# EAGLE board working (EAGLE 7.5.0), part 4 of 8 (continued)
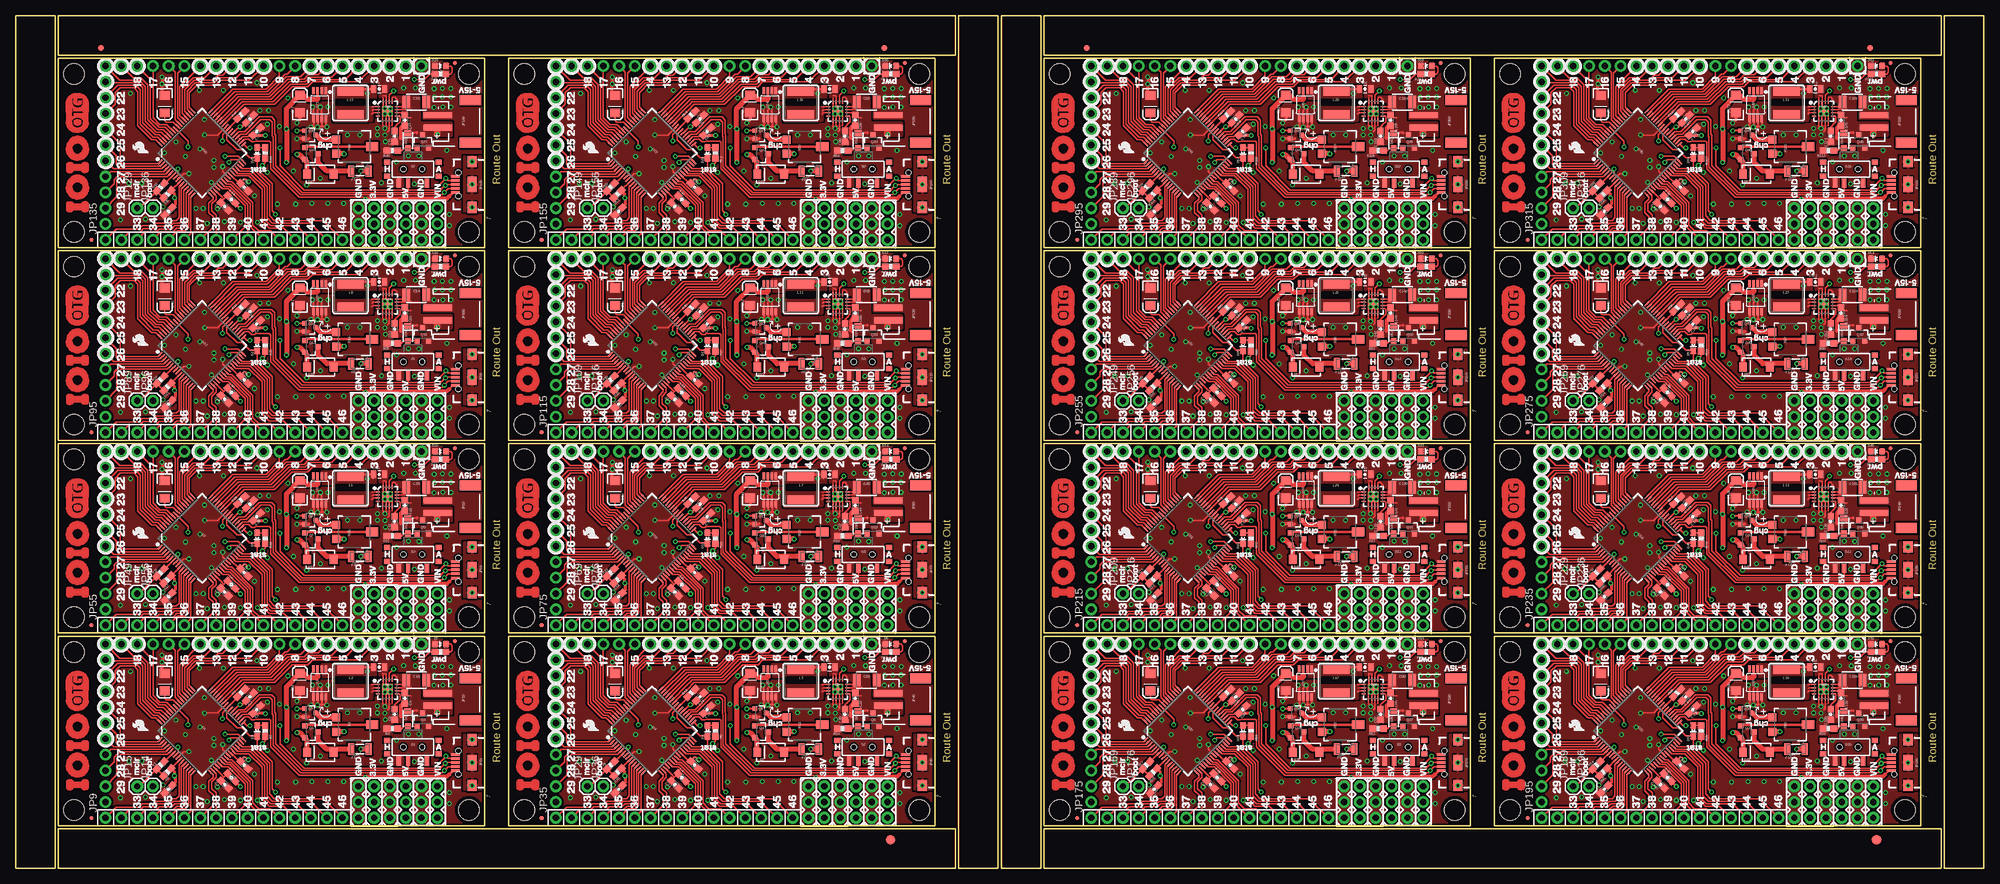
[diagram p0: board, top side]
## Tracks (layer width: path | path; a pad name or v marks a point on that pad's centre or on a via) (continued)
  other vias: 304.29,109.98 304.29,113.67 304.29,106.3
  pour Top: 303.02,114.43 305.69,114.43 305.69,105.66 303.02,105.66
BOOT  (via drill 0.38 pad 0.64)
  Top 0.203: U1.39 33.98,25.05 33.98,24.23 35.61,22.61 36.42,22.61 37.68,21.35 38.73,21.35 D3.C 38.86,19.51 41.25,17.12 41.25,12.8 v41.81,12.24
  Bottom 0.203: v41.81,12.24 23.06,12.24 JP14.1
BOOT1  (via drill 0.38 pad 0.64)
  Top 0.203: U4.39 106.38,25.05 106.38,24.23 108,22.61 108.81,22.61 110.07,21.35 111.12,21.35 D4.C 111.25,19.51 113.64,17.12 113.64,12.8 v114.2,12.24
  Bottom 0.203: v114.2,12.24 95.45,12.24 JP36.1
BOOT2  (via drill 0.38 pad 0.64)
  Top 0.203: U7.39 33.98,56.04 33.98,55.22 35.61,53.59 36.42,53.59 37.68,52.34 38.73,52.34 D9.C 38.86,50.49 41.25,48.11 41.25,43.79 v41.81,43.23
  Bottom 0.203: v41.81,43.23 23.06,43.23 JP56.1
BOOT3  (via drill 0.38 pad 0.64)
  Top 0.203: U10.39 106.38,56.04 106.38,55.22 108,53.59 108.81,53.59 110.07,52.34 111.12,52.34 D13.C 111.25,50.49 113.64,48.11 113.64,43.79 v114.2,43.23
  Bottom 0.203: v114.2,43.23 95.45,43.23 JP76.1
BOOT4  (via drill 0.38 pad 0.64)
  Top 0.203: U13.39 33.98,87.03 33.98,86.21 35.61,84.58 36.42,84.58 37.68,83.32 38.73,83.32 D17.C 38.86,81.48 41.25,79.1 41.25,74.78 v41.81,74.22
  Bottom 0.203: v41.81,74.22 23.06,74.22 JP96.1
BOOT5  (via drill 0.38 pad 0.64)
  Top 0.203: U16.39 106.38,87.03 106.38,86.21 108,84.58 108.81,84.58 110.07,83.32 111.12,83.32 D21.C 111.25,81.48 113.64,79.1 113.64,74.78 v114.2,74.22
  Bottom 0.203: v114.2,74.22 95.45,74.22 JP116.1
BOOT6  (via drill 0.38 pad 0.64)
  Top 0.203: U19.39 33.98,118.02 33.98,117.2 35.61,115.57 36.42,115.57 37.68,114.31 38.73,114.31 D25.C 38.86,112.47 41.25,110.08 41.25,105.77 v41.81,105.21
  Bottom 0.203: v41.81,105.21 23.06,105.21 JP136.1
BOOT7  (via drill 0.38 pad 0.64)
  Top 0.203: U22.39 106.38,118.02 106.38,117.2 108,115.57 108.81,115.57 110.07,114.31 111.12,114.31 D29.C 111.25,112.47 113.64,110.08 113.64,105.77 v114.2,105.21
  Bottom 0.203: v114.2,105.21 95.45,105.21 JP156.1
BOOT8  (via drill 0.38 pad 0.64)
  Top 0.203: U25.39 192.48,25.05 192.48,24.23 194.11,22.61 194.92,22.61 196.18,21.35 197.23,21.35 D33.C 197.36,19.51 199.75,17.12 199.75,12.8 v200.3,12.24
  Bottom 0.203: v200.3,12.24 181.56,12.24 JP176.1
BOOT9  (via drill 0.38 pad 0.64)
  Top 0.203: U28.39 264.87,25.05 264.87,24.23 266.5,22.61 267.31,22.61 268.57,21.35 269.62,21.35 D37.C 269.75,19.51 272.14,17.12 272.14,12.8 v272.69,12.24
  Bottom 0.203: v272.69,12.24 253.95,12.24 JP196.1
BOOT10  (via drill 0.38 pad 0.64)
  Top 0.203: U31.39 192.48,56.04 192.48,55.22 194.11,53.59 194.92,53.59 196.18,52.34 197.23,52.34 D41.C 197.36,50.49 199.75,48.11 199.75,43.79 v200.3,43.23
  Bottom 0.203: v200.3,43.23 181.56,43.23 JP216.1
BOOT11  (via drill 0.38 pad 0.64)
  Top 0.203: U34.39 264.87,56.04 264.87,55.22 266.5,53.59 267.31,53.59 268.57,52.34 269.62,52.34 D45.C 269.75,50.49 272.14,48.11 272.14,43.79 v272.69,43.23
  Bottom 0.203: v272.69,43.23 253.95,43.23 JP236.1
BOOT12  (via drill 0.38 pad 0.64)
  Top 0.203: U37.39 192.48,87.03 192.48,86.21 194.11,84.58 194.92,84.58 196.18,83.32 197.23,83.32 D49.C 197.36,81.48 199.75,79.1 199.75,74.78 v200.3,74.22
  Bottom 0.203: v200.3,74.22 181.56,74.22 JP256.1
BOOT13  (via drill 0.38 pad 0.64)
  Top 0.203: U40.39 264.87,87.03 264.87,86.21 266.5,84.58 267.31,84.58 268.57,83.32 269.62,83.32 D53.C 269.75,81.48 272.14,79.1 272.14,74.78 v272.69,74.22
  Bottom 0.203: v272.69,74.22 253.95,74.22 JP276.1
BOOT14  (via drill 0.38 pad 0.64)
  Top 0.203: U43.39 192.48,118.02 192.48,117.2 194.11,115.57 194.92,115.57 196.18,114.31 197.23,114.31 D57.C 197.36,112.47 199.75,110.08 199.75,105.77 v200.3,105.21
  Bottom 0.203: v200.3,105.21 181.56,105.21 JP296.1
BOOT15  (via drill 0.38 pad 0.64)
  Top 0.203: U46.39 264.87,118.02 264.87,117.2 266.5,115.57 267.31,115.57 268.57,114.31 269.62,114.31 D61.C 269.75,112.47 272.14,110.08 272.14,105.77 v272.69,105.21
  Bottom 0.203: v272.69,105.21 253.95,105.21 JP316.1
D+  (via drill 0.38 pad 0.64)
  Top 0.203: U1.37 35.88,25.53 36.83,25.53 39.19,27.89 41.17,27.89 41.66,27.41 41.66,25.12 41.81,24.97 41.81,20.05 46.11,15.75 67.94,15.75 v69.09,16.89 69.22,17.02 JP21.D+1
  Bottom 0.203: TP2.P$1 69.34,17.14 v69.09,16.89
D+1  (via drill 0.38 pad 0.64)
  Top 0.203: U4.37 108.27,25.53 109.22,25.53 111.58,27.89 113.56,27.89 114.05,27.41 114.05,25.12 114.2,24.97 114.2,20.05 118.5,15.75 140.34,15.75 v141.48,16.89 141.6,17.02 JP39.D+1
  Bottom 0.203: TP5.P$1 141.73,17.14 v141.48,16.89
D+2  (via drill 0.38 pad 0.64)
  Top 0.203: U7.37 35.88,56.52 36.83,56.52 39.19,58.88 41.17,58.88 41.66,58.4 41.66,56.11 41.81,55.96 41.81,51.04 46.11,46.74 67.94,46.74 v69.09,47.88 69.22,48.01 JP59.D+1
  Bottom 0.203: TP8.P$1 69.34,48.13 v69.09,47.88
D+3  (via drill 0.38 pad 0.64)
  Top 0.203: U10.37 108.27,56.52 109.22,56.52 111.58,58.88 113.56,58.88 114.05,58.4 114.05,56.11 114.2,55.96 114.2,51.04 118.5,46.74 140.34,46.74 v141.48,47.88 141.6,48.01 JP79.D+1
  Bottom 0.203: TP11.P$1 141.73,48.13 v141.48,47.88
D+4  (via drill 0.38 pad 0.64)
  Top 0.203: U13.37 35.88,87.5 36.83,87.5 39.19,89.86 41.17,89.86 41.66,89.38 41.66,87.1 41.81,86.94 41.81,82.03 46.11,77.72 67.94,77.72 v69.09,78.87 69.22,78.99 JP99.D+1
  Bottom 0.203: TP14.P$1 69.34,79.12 v69.09,78.87
D+5  (via drill 0.38 pad 0.64)
  Top 0.203: U16.37 108.27,87.5 109.22,87.5 111.58,89.86 113.56,89.86 114.05,89.38 114.05,87.1 114.2,86.94 114.2,82.03 118.5,77.72 140.34,77.72 v141.48,78.87 141.6,78.99 JP119.D+1
  Bottom 0.203: TP17.P$1 141.73,79.12 v141.48,78.87
D+6  (via drill 0.38 pad 0.64)
  Top 0.203: U19.37 35.88,118.49 36.83,118.49 39.19,120.85 41.17,120.85 41.66,120.37 41.66,118.08 41.81,117.93 41.81,113.01 46.11,108.71 67.94,108.71 v69.09,109.86 69.22,109.98 JP139.D+1
  Bottom 0.203: TP20.P$1 69.34,110.11 v69.09,109.86
D+7  (via drill 0.38 pad 0.64)
  Top 0.203: U22.37 108.27,118.49 109.22,118.49 111.58,120.85 113.56,120.85 114.05,120.37 114.05,118.08 114.2,117.93 114.2,113.01 118.5,108.71 140.34,108.71 v141.48,109.86 141.6,109.98 JP159.D+1
  Bottom 0.203: TP23.P$1 141.73,110.11 v141.48,109.86
D+8  (via drill 0.38 pad 0.64)
  Top 0.203: U25.37 194.37,25.53 195.33,25.53 197.69,27.89 199.67,27.89 200.15,27.41 200.15,25.12 200.3,24.97 200.3,20.05 204.61,15.75 226.44,15.75 v227.58,16.89 227.71,17.02 JP179.D+1
  Bottom 0.203: TP26.P$1 227.84,17.14 v227.58,16.89
D+9  (via drill 0.38 pad 0.64)
  Top 0.203: U28.37 266.76,25.53 267.72,25.53 270.08,27.89 272.06,27.89 272.54,27.41 272.54,25.12 272.69,24.97 272.69,20.05 277,15.75 298.83,15.75 v299.97,16.89 300.1,17.02 JP199.D+1
  Bottom 0.203: TP29.P$1 300.23,17.14 v299.97,16.89
D+10  (via drill 0.38 pad 0.64)
  Top 0.203: U31.37 194.37,56.52 195.33,56.52 197.69,58.88 199.67,58.88 200.15,58.4 200.15,56.11 200.3,55.96 200.3,51.04 204.61,46.74 226.44,46.74 v227.58,47.88 227.71,48.01 JP219.D+1
  Bottom 0.203: TP32.P$1 227.84,48.13 v227.58,47.88
D+11  (via drill 0.38 pad 0.64)
  Top 0.203: U34.37 266.76,56.52 267.72,56.52 270.08,58.88 272.06,58.88 272.54,58.4 272.54,56.11 272.69,55.96 272.69,51.04 277,46.74 298.83,46.74 v299.97,47.88 300.1,48.01 JP239.D+1
  Bottom 0.203: TP35.P$1 300.23,48.13 v299.97,47.88
D+12  (via drill 0.38 pad 0.64)
  Top 0.203: U37.37 194.37,87.5 195.33,87.5 197.69,89.86 199.67,89.86 200.15,89.38 200.15,87.1 200.3,86.94 200.3,82.03 204.61,77.72 226.44,77.72 v227.58,78.87 227.71,78.99 JP259.D+1
  Bottom 0.203: TP38.P$1 227.84,79.12 v227.58,78.87
D+13  (via drill 0.38 pad 0.64)
  Top 0.203: U40.37 266.76,87.5 267.72,87.5 270.08,89.86 272.06,89.86 272.54,89.38 272.54,87.1 272.69,86.94 272.69,82.03 277,77.72 298.83,77.72 v299.97,78.87 300.1,78.99 JP279.D+1
  Bottom 0.203: TP41.P$1 300.23,79.12 v299.97,78.87
D+14  (via drill 0.38 pad 0.64)
  Top 0.203: U43.37 194.37,118.49 195.33,118.49 197.69,120.85 199.67,120.85 200.15,120.37 200.15,118.08 200.3,117.93 200.3,113.01 204.61,108.71 226.44,108.71 v227.58,109.86 227.71,109.98 JP299.D+1
  Bottom 0.203: TP44.P$1 227.84,110.11 v227.58,109.86
D+15  (via drill 0.38 pad 0.64)
  Top 0.203: U46.37 266.76,118.49 267.72,118.49 270.08,120.85 272.06,120.85 272.54,120.37 272.54,118.08 272.69,117.93 272.69,113.01 277,108.71 298.83,108.71 v299.97,109.86 300.1,109.98 JP319.D+1
  Bottom 0.203: TP47.P$1 300.23,110.11 v299.97,109.86
D-  (via drill 0.38 pad 0.64)
  Top 0.203: U1.36 36.2,25.15 37.08,25.15 39.42,27.48 40.87,27.48 41.27,27.08 41.27,24.82 41.4,24.69 41.4,19.81 45.84,15.37 68.58,15.37 v68.96,15.75 69.58,16.37 JP21.D-1
  Bottom 0.203: v68.96,15.75 68.96,15.37 70.36,13.97 71.63,13.97 TP3.P$1
D-1  (via drill 0.38 pad 0.64)
  Top 0.203: U4.36 108.59,25.15 109.47,25.15 111.81,27.48 113.26,27.48 113.67,27.08 113.67,24.82 113.79,24.69 113.79,19.81 118.23,15.37 140.97,15.37 v141.35,15.75 141.97,16.37 JP39.D-1
  Bottom 0.203: v141.35,15.75 141.35,15.37 142.75,13.97 144.02,13.97 TP6.P$1
D-2  (via drill 0.38 pad 0.64)
  Top 0.203: U7.36 36.2,56.13 37.08,56.13 39.42,58.47 40.87,58.47 41.27,58.06 41.27,55.8 41.4,55.68 41.4,50.8 45.84,46.35 68.58,46.35 v68.96,46.74 69.58,47.36 JP59.D-1
  Bottom 0.203: v68.96,46.74 68.96,46.35 70.36,44.96 71.63,44.96 TP9.P$1
D-3  (via drill 0.38 pad 0.64)
  Top 0.203: U10.36 108.59,56.13 109.47,56.13 111.81,58.47 113.26,58.47 113.67,58.06 113.67,55.8 113.79,55.68 113.79,50.8 118.23,46.35 140.97,46.35 v141.35,46.74 141.97,47.36 JP79.D-1
  Bottom 0.203: v141.35,46.74 141.35,46.35 142.75,44.96 144.02,44.96 TP12.P$1
D-4  (via drill 0.38 pad 0.64)
  Top 0.203: U13.36 36.2,87.12 37.08,87.12 39.42,89.46 40.87,89.46 41.27,89.05 41.27,86.79 41.4,86.67 41.4,81.78 45.84,77.34 68.58,77.34 v68.96,77.72 69.58,78.34 JP99.D-1
  Bottom 0.203: v68.96,77.72 68.96,77.34 70.36,75.95 71.63,75.95 TP15.P$1
D-5  (via drill 0.38 pad 0.64)
  Top 0.203: U16.36 108.59,87.12 109.47,87.12 111.81,89.46 113.26,89.46 113.67,89.05 113.67,86.79 113.79,86.67 113.79,81.78 118.23,77.34 140.97,77.34 v141.35,77.72 141.97,78.34 JP119.D-1
  Bottom 0.203: v141.35,77.72 141.35,77.34 142.75,75.95 144.02,75.95 TP18.P$1
D-6  (via drill 0.38 pad 0.64)
  Top 0.203: U19.36 36.2,118.11 37.08,118.11 39.42,120.45 40.87,120.45 41.27,120.04 41.27,117.78 41.4,117.65 41.4,112.77 45.84,108.33 68.58,108.33 v68.96,108.71 69.58,109.33 JP139.D-1
  Bottom 0.203: v68.96,108.71 68.96,108.33 70.36,106.93 71.63,106.93 TP21.P$1
D-7  (via drill 0.38 pad 0.64)
  Top 0.203: U22.36 108.59,118.11 109.47,118.11 111.81,120.45 113.26,120.45 113.67,120.04 113.67,117.78 113.79,117.65 113.79,112.77 118.23,108.33 140.97,108.33 v141.35,108.71 141.97,109.33 JP159.D-1
  Bottom 0.203: v141.35,108.71 141.35,108.33 142.75,106.93 144.02,106.93 TP24.P$1
D-8  (via drill 0.38 pad 0.64)
  Top 0.203: U25.36 194.7,25.15 195.58,25.15 197.92,27.48 199.37,27.48 199.77,27.08 199.77,24.82 199.9,24.69 199.9,19.81 204.34,15.37 227.08,15.37 v227.46,15.75 228.08,16.37 JP179.D-1
  Bottom 0.203: v227.46,15.75 227.46,15.37 228.85,13.97 230.12,13.97 TP27.P$1
D-9  (via drill 0.38 pad 0.64)
  Top 0.203: U28.36 267.09,25.15 267.97,25.15 270.31,27.48 271.75,27.48 272.16,27.08 272.16,24.82 272.29,24.69 272.29,19.81 276.73,15.37 299.47,15.37 v299.85,15.75 300.47,16.37 JP199.D-1
  Bottom 0.203: v299.85,15.75 299.85,15.37 301.24,13.97 302.51,13.97 TP30.P$1
D-10  (via drill 0.38 pad 0.64)
  Top 0.203: U31.36 194.7,56.13 195.58,56.13 197.92,58.47 199.37,58.47 199.77,58.06 199.77,55.8 199.9,55.68 199.9,50.8 204.34,46.35 227.08,46.35 v227.46,46.74 228.08,47.36 JP219.D-1
  Bottom 0.203: v227.46,46.74 227.46,46.35 228.85,44.96 230.12,44.96 TP33.P$1
D-11  (via drill 0.38 pad 0.64)
  Top 0.203: U34.36 267.09,56.13 267.97,56.13 270.31,58.47 271.75,58.47 272.16,58.06 272.16,55.8 272.29,55.68 272.29,50.8 276.73,46.35 299.47,46.35 v299.85,46.74 300.47,47.36 JP239.D-1
  Bottom 0.203: v299.85,46.74 299.85,46.35 301.24,44.96 302.51,44.96 TP36.P$1
D-12  (via drill 0.38 pad 0.64)
  Top 0.203: U37.36 194.7,87.12 195.58,87.12 197.92,89.46 199.37,89.46 199.77,89.05 199.77,86.79 199.9,86.67 199.9,81.78 204.34,77.34 227.08,77.34 v227.46,77.72 228.08,78.34 JP259.D-1
  Bottom 0.203: v227.46,77.72 227.46,77.34 228.85,75.95 230.12,75.95 TP39.P$1
D-13  (via drill 0.38 pad 0.64)
  Top 0.203: U40.36 267.09,87.12 267.97,87.12 270.31,89.46 271.75,89.46 272.16,89.05 272.16,86.79 272.29,86.67 272.29,81.78 276.73,77.34 299.47,77.34 v299.85,77.72 300.47,78.34 JP279.D-1
  Bottom 0.203: v299.85,77.72 299.85,77.34 301.24,75.95 302.51,75.95 TP42.P$1
D-14  (via drill 0.38 pad 0.64)
  Top 0.203: U43.36 194.7,118.11 195.58,118.11 197.92,120.45 199.37,120.45 199.77,120.04 199.77,117.78 199.9,117.65 199.9,112.77 204.34,108.33 227.08,108.33 v227.46,108.71 228.08,109.33 JP299.D-1
  Bottom 0.203: v227.46,108.71 227.46,108.33 228.85,106.93 230.12,106.93 TP45.P$1
D-15  (via drill 0.38 pad 0.64)
  Top 0.203: U46.36 267.09,118.11 267.97,118.11 270.31,120.45 271.75,120.45 272.16,120.04 272.16,117.78 272.29,117.65 272.29,112.77 276.73,108.33 299.47,108.33 v299.85,108.71 300.47,109.33 JP319.D-1
  Bottom 0.203: v299.85,108.71 299.85,108.33 301.24,106.93 302.51,106.93 TP48.P$1
GND  (via drill 0.38 pad 0.64)
  Top 0.203: U1.9 26.11,17.86 27.03,18.77 v27.86,18.77 | U1.20 | v31.5,17.37 31.52,17.37 U1.20 | U1.25 33.3,19.12 v33.3,19.89 | U1.41 32.51,24.99 v30.4,24.99 | U1.20 | 61.47,24.05 61.47,23.37 | 59.07,29.56 v59.37,29.25 59.08,29.55 U2.16 | 59.57,30.28 59.57,29.74 59.57,29.75 U2.15 | 59.57,29.74 59.57,29.28 | 60.57,28.06 v60.26,28.36 | 59.55,27.33 59.55,28.37 59.57,28.38 | 59.95,25.98 59.89,25.98 | U2.8 60.58,28.05 v60.26,28.36 | U2.7 60.08,28.18 v60.26,28.36 | U2.5 59.05,28.04 v59.37,28.36
  Top 0.279: 59.05,31.02 59.08,30.99 U2.16 | 59.05,31.32 59.07,31.31 59.57,31.31 U2.15 | 60.07,25.72 59.83,25.48 | 59.57,29.45 v59.37,29.25 | 59.57,29.25 v59.37,29.25 | 59.57,29.25 v59.37,29.25 | 59.57,29.28 59.38,29.28 | 59.56,28.36 v59.37,28.36 59.57,28.36 | v59.38,26.02 arc90 59.55,26.59 | 59.05,27.42 59.05,26.55 arc-90 59.07,26.55 59.07,26 59.08,25.99 | 60.07,28.17 v60.26,28.36 | 60.08,27.18 60.08,25.67 | 60.58,27.19 60.58,26.52 | U2.6 59.55,26.36 59.66,26.25
  Top 0.356: v48.51,26.29 48.57,26.34 U3.6 48.57,29.01 v49.02,29.46 49.22,29.27 U3.7 49.22,26.29 49.23,26.29 | U3.8 49.87,26.46 v50.04,26.29 49.23,26.29 | 49.23,26.29 v47.5,26.29 47.92,26.71 U3.5 47.92,29.3 v47.75,29.46
  Top 0.406: 62.5,26.4 C9.2 | 61.89,25.88 62.4,26.38
  Top 0.508: v45.21,24.38 45.23,24.37 Q2.2 47.13,24.37 47.19,24.43 | C10.C 45.72,27.43 v45.21,26.92 | v23.55,34.31 v23.55,33.2 23.55,31.78 C7.C
  Top 0.61: 61.98,24.49 61.98,26.15 62.43,26.6
  other vias: 60.26,29.25 47.68,13.97 50.22,13.97 52.76,13.97 49.02,18.03 53.34,25.02 55.37,25.02 67.35,31.07 68.64,31.09 69.98,31.11 58.19,26.07 50.22,29.47 39.27,28.93 68.63,32.47 70.01,32.44 62.41,32.58 64.27,32.57 58.18,25.01 67.29,29.44 69.98,29.46 64.82,21.59 58.8,17.27 40.51,26.72 69.34,22.48 68.68,29.48 61.26,20.65 59.39,24.96 63.14,21.62 64.14,17.14 29.03,13.18 20.9,11.46 23.95,22.12 29.64,22.73 25.78,23.85 27.3,21.51 30.38,27.46 38.79,33.4 29.54,32.18 33.4,32.18 18.47,31.67 16.84,11.35 30.81,10.77 33.6,11.05 36.14,10.95 32.44,13.11 38.43,15.19 45.03,13.87 40.49,18.97 42.09,13.87 43.76,30.96 42.44,26.39 46.81,16.94 44.68,19.18 38.89,10.95 30.18,13.18 18.26,17.25 31.88,19.79 31.88,20.9 23.73,13.41 20.29,17.25 40.69,28.93 69.77,12.19 69.77,10.41 59.46,23.91 67.3,32.43
  pour Top (isolate 0.254, rank 6, no thermals): 65.52,27.64 65.41,30.61 61.47,31.22 61.47,32.36 58.55,32.36 58.55,37.34 75.44,37.34 75.44,27.69
  pour Top (isolate 0.152, no thermals): 58.55,33.15 58.55,29.95 58.93,29.95 58.93,26.78 56.9,26.78 56.9,24.64 60.83,24.64 60.83,29.82 59.82,29.82 59.82,33.15
  pour Top (isolate 0.152, no thermals): 58.55,33.15 58.55,29.95 58.93,29.95 58.93,26.78 56.9,26.78 56.9,24.64 60.83,24.64 60.83,29.82 59.82,29.82 59.82,33.15
  pour Top (isolate 0.305, rank 6, no thermals): 13.77,37.34 75.44,37.34 75.44,6.86 13.77,6.86
  pour Bottom (isolate 0.305, rank 6, no thermals): 13.77,37.34 75.44,37.34 75.44,6.86 13.77,6.86
GND1  (via drill 0.38 pad 0.64)
  Top 0.203: U4.9 98.5,17.86 99.42,18.77 v100.25,18.77 | U4.20 | v103.89,17.37 103.91,17.37 U4.20 | U4.25 105.69,19.12 v105.69,19.89 | U4.41 104.9,24.99 v102.79,24.99 | U4.20 | 133.86,24.05 133.86,23.37 | 131.46,29.56 v131.76,29.25 131.47,29.55 U5.16 | 131.96,30.28 131.96,29.74 131.96,29.75 U5.15 | 131.96,29.74 131.96,29.28 | 132.96,28.06 v132.65,28.36 | 131.94,27.33 131.94,28.37 131.96,28.38 | 132.34,25.98 132.28,25.98 | U5.8 132.97,28.05 v132.65,28.36 | U5.7 132.47,28.18 v132.65,28.36 | U5.5 131.44,28.04 v131.76,28.36
  Top 0.279: 131.44,31.02 131.47,30.99 U5.16 | 131.44,31.32 131.46,31.31 131.96,31.31 U5.15 | 132.46,25.72 132.22,25.48 | 131.96,29.45 v131.76,29.25 | 131.96,29.25 v131.76,29.25 | 131.96,29.25 v131.76,29.25 | 131.96,29.28 131.77,29.28 | 131.95,28.36 v131.76,28.36 131.96,28.36 | v131.77,26.02 arc90 131.94,26.59 | 131.44,27.42 131.44,26.55 arc-90 131.46,26.55 131.46,26 131.47,25.99 | 132.46,28.17 v132.65,28.36 | 132.47,27.18 132.47,25.67 | 132.97,27.19 132.97,26.52 | U5.6 131.94,26.36 132.06,26.25
  Top 0.356: v120.9,26.29 120.96,26.34 U6.6 120.96,29.01 v121.41,29.46 121.61,29.27 U6.7 121.61,26.29 | U6.8 122.26,26.46 v122.43,26.29 121.61,26.29 | 121.61,26.29 v119.89,26.29 120.31,26.71 U6.5 120.31,29.3 v120.14,29.46
  Top 0.406: 134.89,26.4 C22.2 | 134.28,25.88 134.78,26.38
  Top 0.508: v117.6,24.38 117.62,24.37 Q5.2 119.52,24.37 119.58,24.43 | C18.C 118.11,27.43 v117.6,26.92 | v95.94,34.31 v95.94,33.2 95.94,31.78 C16.C
  Top 0.61: 134.37,24.49 134.37,26.15 134.82,26.6
  other vias: 132.65,29.25 120.07,13.97 122.61,13.97 125.15,13.97 121.41,18.03 125.73,25.02 127.76,25.02 139.74,31.07 141.03,31.09 142.37,31.11 130.58,26.07 122.61,29.47 111.66,28.93 141.02,32.47 142.4,32.44 134.8,32.58 136.66,32.57 130.57,25.01 139.68,29.44 142.37,29.46 137.21,21.59 131.19,17.27 112.9,26.72 141.73,22.48 141.07,29.48 133.65,20.65 131.78,24.96 135.53,21.62 136.53,17.14 101.42,13.18 93.29,11.46 96.34,22.12 102.03,22.73 98.17,23.85 99.69,21.51 102.77,27.46 111.18,33.4 101.93,32.18 105.79,32.18 90.86,31.67 89.23,11.35 103.2,10.77 105.99,11.05 108.53,10.95 104.83,13.11 110.82,15.19 117.42,13.87 112.88,18.97 114.48,13.87 116.15,30.96 114.83,26.39 119.2,16.94 117.07,19.18 111.28,10.95 102.57,13.18 90.65,17.25 104.27,19.79 104.27,20.9 96.12,13.41 92.68,17.25 113.08,28.93 142.16,12.19 142.16,10.41 131.85,23.91 139.69,32.43
  pour Top (isolate 0.254, rank 6, no thermals): 137.91,27.64 137.79,30.61 133.86,31.22 133.86,32.36 130.94,32.36 130.94,37.34 147.83,37.34 147.83,27.69
  pour Top (isolate 0.152, no thermals): 130.94,33.15 130.94,29.95 131.32,29.95 131.32,26.78 129.29,26.78 129.29,24.64 133.22,24.64 133.22,29.82 132.21,29.82 132.21,33.15
  pour Top (isolate 0.152, no thermals): 130.94,33.15 130.94,29.95 131.32,29.95 131.32,26.78 129.29,26.78 129.29,24.64 133.22,24.64 133.22,29.82 132.21,29.82 132.21,33.15
  pour Top (isolate 0.305, rank 6, no thermals): 86.16,37.34 147.83,37.34 147.83,6.86 86.16,6.86
  pour Bottom (isolate 0.305, rank 6, no thermals): 86.16,37.34 147.83,37.34 147.83,6.86 86.16,6.86
GND2  (via drill 0.38 pad 0.64)
  Top 0.203: U7.9 26.11,48.84 27.03,49.76 v27.86,49.76 | U7.20 | v31.5,48.36 31.52,48.36 U7.20 | U7.25 33.3,50.11 v33.3,50.88 | U7.41 32.51,55.98 v30.4,55.98 | U7.20 | 61.47,55.04 61.47,54.36 | 59.07,60.55 v59.37,60.24 59.08,60.54 U8.16 | 59.57,61.27 59.57,60.73 U8.15 | 59.57,60.73 59.57,60.27 | 60.57,59.05 v60.26,59.35 | 59.55,58.32 59.55,59.35 59.57,59.37 | 59.95,56.97 59.89,56.97 | U8.8 60.58,59.03 v60.26,59.35 | U8.7 60.08,59.17 v60.26,59.35 | U8.5 59.05,59.03 v59.37,59.35
  Top 0.279: 59.05,62.01 59.08,61.98 U8.16 | 59.05,62.31 59.07,62.3 59.57,62.3 59.57,62.29 U8.15 | 60.07,56.71 59.83,56.47 | 59.57,60.44 v59.37,60.24 | 59.57,60.24 v59.37,60.24 | 59.57,60.24 v59.37,60.24 | 59.57,60.27 59.38,60.27 | 59.56,59.35 v59.37,59.35 59.57,59.35 | v59.38,57.01 arc90 59.55,57.58 | 59.05,58.41 59.05,57.54 arc-90 59.07,57.54 59.07,56.99 59.08,56.98 | 60.07,59.16 v60.26,59.35 | 60.08,58.17 60.08,56.66 | 60.58,58.18 60.58,57.5 | U8.6 59.55,57.35 59.66,57.23
  Top 0.356: v48.51,57.28 48.57,57.33 U9.6 48.57,60 v49.02,60.45 49.22,60.25 U9.7 49.22,57.28 49.23,57.28 | U9.8 49.87,57.45 v50.04,57.28 49.23,57.28 | 49.23,57.28 v47.5,57.28 47.92,57.7 U9.5 47.92,60.28 v47.75,60.45
  Top 0.406: 62.5,57.39 C33.2 | 61.89,56.86 62.4,57.37
  Top 0.508: v45.21,55.37 45.23,55.36 Q8.2 47.13,55.36 47.19,55.42 | C29.C 45.72,58.42 v45.21,57.91 | v23.55,65.3 v23.55,64.19 23.55,62.77 C27.C
  Top 0.61: 61.98,55.47 61.98,57.14 62.43,57.58
  other vias: 60.26,60.24 47.68,44.96 50.22,44.96 52.76,44.96 49.02,49.02 53.34,56.01 55.37,56.01 67.35,62.06 68.64,62.08 69.98,62.1 58.19,57.06 50.22,60.46 39.27,59.92 68.63,63.45 70.01,63.43 62.41,63.57 64.27,63.56 58.18,56 67.29,60.43 69.98,60.45 64.82,52.58 58.8,48.26 40.51,57.71 69.34,53.47 68.68,60.47 61.26,51.64 59.39,55.95 63.14,52.6 64.14,48.13 29.03,44.17 20.9,42.44 23.95,53.11 29.64,53.72 25.78,54.84 27.3,52.5 30.38,58.45 38.79,64.39 29.54,63.17 33.4,63.17 18.47,62.66 16.84,42.34 30.81,41.76 33.6,42.04 36.14,41.94 32.44,44.09 38.43,46.18 45.03,44.86 40.49,49.96 42.09,44.86 43.76,61.95 42.44,57.38 46.81,47.93 44.68,50.16 38.89,41.94 30.18,44.17 18.26,48.23 31.88,50.77 31.88,51.89 23.73,44.39 20.29,48.23 40.69,59.92 69.77,43.18 69.77,41.4 59.46,54.9 67.3,63.42
  pour Top (isolate 0.254, rank 6, no thermals): 65.52,58.63 65.41,61.59 61.47,62.21 61.47,63.35 58.55,63.35 58.55,68.33 75.44,68.33 75.44,58.67
  pour Top (isolate 0.152, no thermals): 58.55,64.14 58.55,60.94 58.93,60.94 58.93,57.76 56.9,57.76 56.9,55.63 60.83,55.63 60.83,60.81 59.82,60.81 59.82,64.14
  pour Top (isolate 0.152, no thermals): 58.55,64.14 58.55,60.94 58.93,60.94 58.93,57.76 56.9,57.76 56.9,55.63 60.83,55.63 60.83,60.81 59.82,60.81 59.82,64.14
  pour Top (isolate 0.305, rank 6, no thermals): 13.77,68.33 75.44,68.33 75.44,37.85 13.77,37.85
  pour Bottom (isolate 0.305, rank 6, no thermals): 13.77,68.33 75.44,68.33 75.44,37.85 13.77,37.85
GND3  (via drill 0.38 pad 0.64)
  Top 0.203: U10.9 98.5,48.84 99.42,49.76 v100.25,49.76 | U10.20 | v103.89,48.36 103.91,48.36 U10.20 | U10.25 105.69,50.11 v105.69,50.88 | U10.41 104.9,55.98 v102.79,55.98 | U10.20 | 133.86,55.04 133.86,54.36 | 131.46,60.55 v131.76,60.24 131.47,60.54 U11.16 | 131.96,61.27 131.96,60.73 U11.15 | 131.96,60.73 131.96,60.27 | 132.96,59.05 v132.65,59.35 | 131.94,58.32 131.94,59.35 131.96,59.37 | 132.34,56.97 132.28,56.97 | U11.8 132.97,59.03 v132.65,59.35 | U11.7 132.47,59.17 v132.65,59.35 | U11.5 131.44,59.03 v131.76,59.35
  Top 0.279: 131.44,62.01 131.47,61.98 U11.16 | 131.44,62.31 131.46,62.3 131.96,62.3 131.96,62.29 U11.15 | 132.46,56.71 132.22,56.47 | 131.96,60.44 v131.76,60.24 | 131.96,60.24 v131.76,60.24 | 131.96,60.24 v131.76,60.24 | 131.96,60.27 131.77,60.27 | 131.95,59.35 v131.76,59.35 131.96,59.35 | v131.77,57.01 arc90 131.94,57.58 | 131.44,58.41 131.44,57.54 arc-90 131.46,57.54 131.46,56.99 131.47,56.98 | 132.46,59.16 v132.65,59.35 | 132.47,58.17 132.47,56.66 | 132.97,58.18 132.97,57.5 | U11.6 131.94,57.35 132.06,57.23
  Top 0.356: v120.9,57.28 120.96,57.33 U12.6 120.96,60 v121.41,60.45 121.61,60.25 U12.7 121.61,57.28 | U12.8 122.26,57.45 v122.43,57.28 121.61,57.28 | 121.61,57.28 v119.89,57.28 120.31,57.7 U12.5 120.31,60.28 v120.14,60.45
  Top 0.406: 134.89,57.39 C44.2 | 134.28,56.86 134.78,57.37
  Top 0.508: v117.6,55.37 117.62,55.36 Q11.2 119.52,55.36 119.58,55.42 | C40.C 118.11,58.42 v117.6,57.91 | v95.94,65.3 v95.94,64.19 95.94,62.77 C38.C
  Top 0.61: 134.37,55.47 134.37,57.14 134.82,57.58
  other vias: 132.65,60.24 120.07,44.96 122.61,44.96 125.15,44.96 121.41,49.02 125.73,56.01 127.76,56.01 139.74,62.06 141.03,62.08 142.37,62.1 130.58,57.06 122.61,60.46 111.66,59.92 141.02,63.45 142.4,63.43 134.8,63.57 136.66,63.56 130.57,56 139.68,60.43 142.37,60.45 137.21,52.58 131.19,48.26 112.9,57.71 141.73,53.47 141.07,60.47 133.65,51.64 131.78,55.95 135.53,52.6 136.53,48.13 101.42,44.17 93.29,42.44 96.34,53.11 102.03,53.72 98.17,54.84 99.69,52.5 102.77,58.45 111.18,64.39 101.93,63.17 105.79,63.17 90.86,62.66 89.23,42.34 103.2,41.76 105.99,42.04 108.53,41.94 104.83,44.09 110.82,46.18 117.42,44.86 112.88,49.96 114.48,44.86 116.15,61.95 114.83,57.38 119.2,47.93 117.07,50.16 111.28,41.94 102.57,44.17 90.65,48.23 104.27,50.77 104.27,51.89 96.12,44.39 92.68,48.23 113.08,59.92 142.16,43.18 142.16,41.4 131.85,54.9 139.69,63.42
  pour Top (isolate 0.254, rank 6, no thermals): 137.91,58.63 137.79,61.59 133.86,62.21 133.86,63.35 130.94,63.35 130.94,68.33 147.83,68.33 147.83,58.67
  pour Top (isolate 0.152, no thermals): 130.94,64.14 130.94,60.94 131.32,60.94 131.32,57.76 129.29,57.76 129.29,55.63 133.22,55.63 133.22,60.81 132.21,60.81 132.21,64.14
  pour Top (isolate 0.152, no thermals): 130.94,64.14 130.94,60.94 131.32,60.94 131.32,57.76 129.29,57.76 129.29,55.63 133.22,55.63 133.22,60.81 132.21,60.81 132.21,64.14
  pour Top (isolate 0.305, rank 6, no thermals): 86.16,68.33 147.83,68.33 147.83,37.85 86.16,37.85
  pour Bottom (isolate 0.305, rank 6, no thermals): 86.16,68.33 147.83,68.33 147.83,37.85 86.16,37.85
GND4  (via drill 0.38 pad 0.64)